# Altium PCB BG1094.PcbDoc (part 1 of 2) (continued)
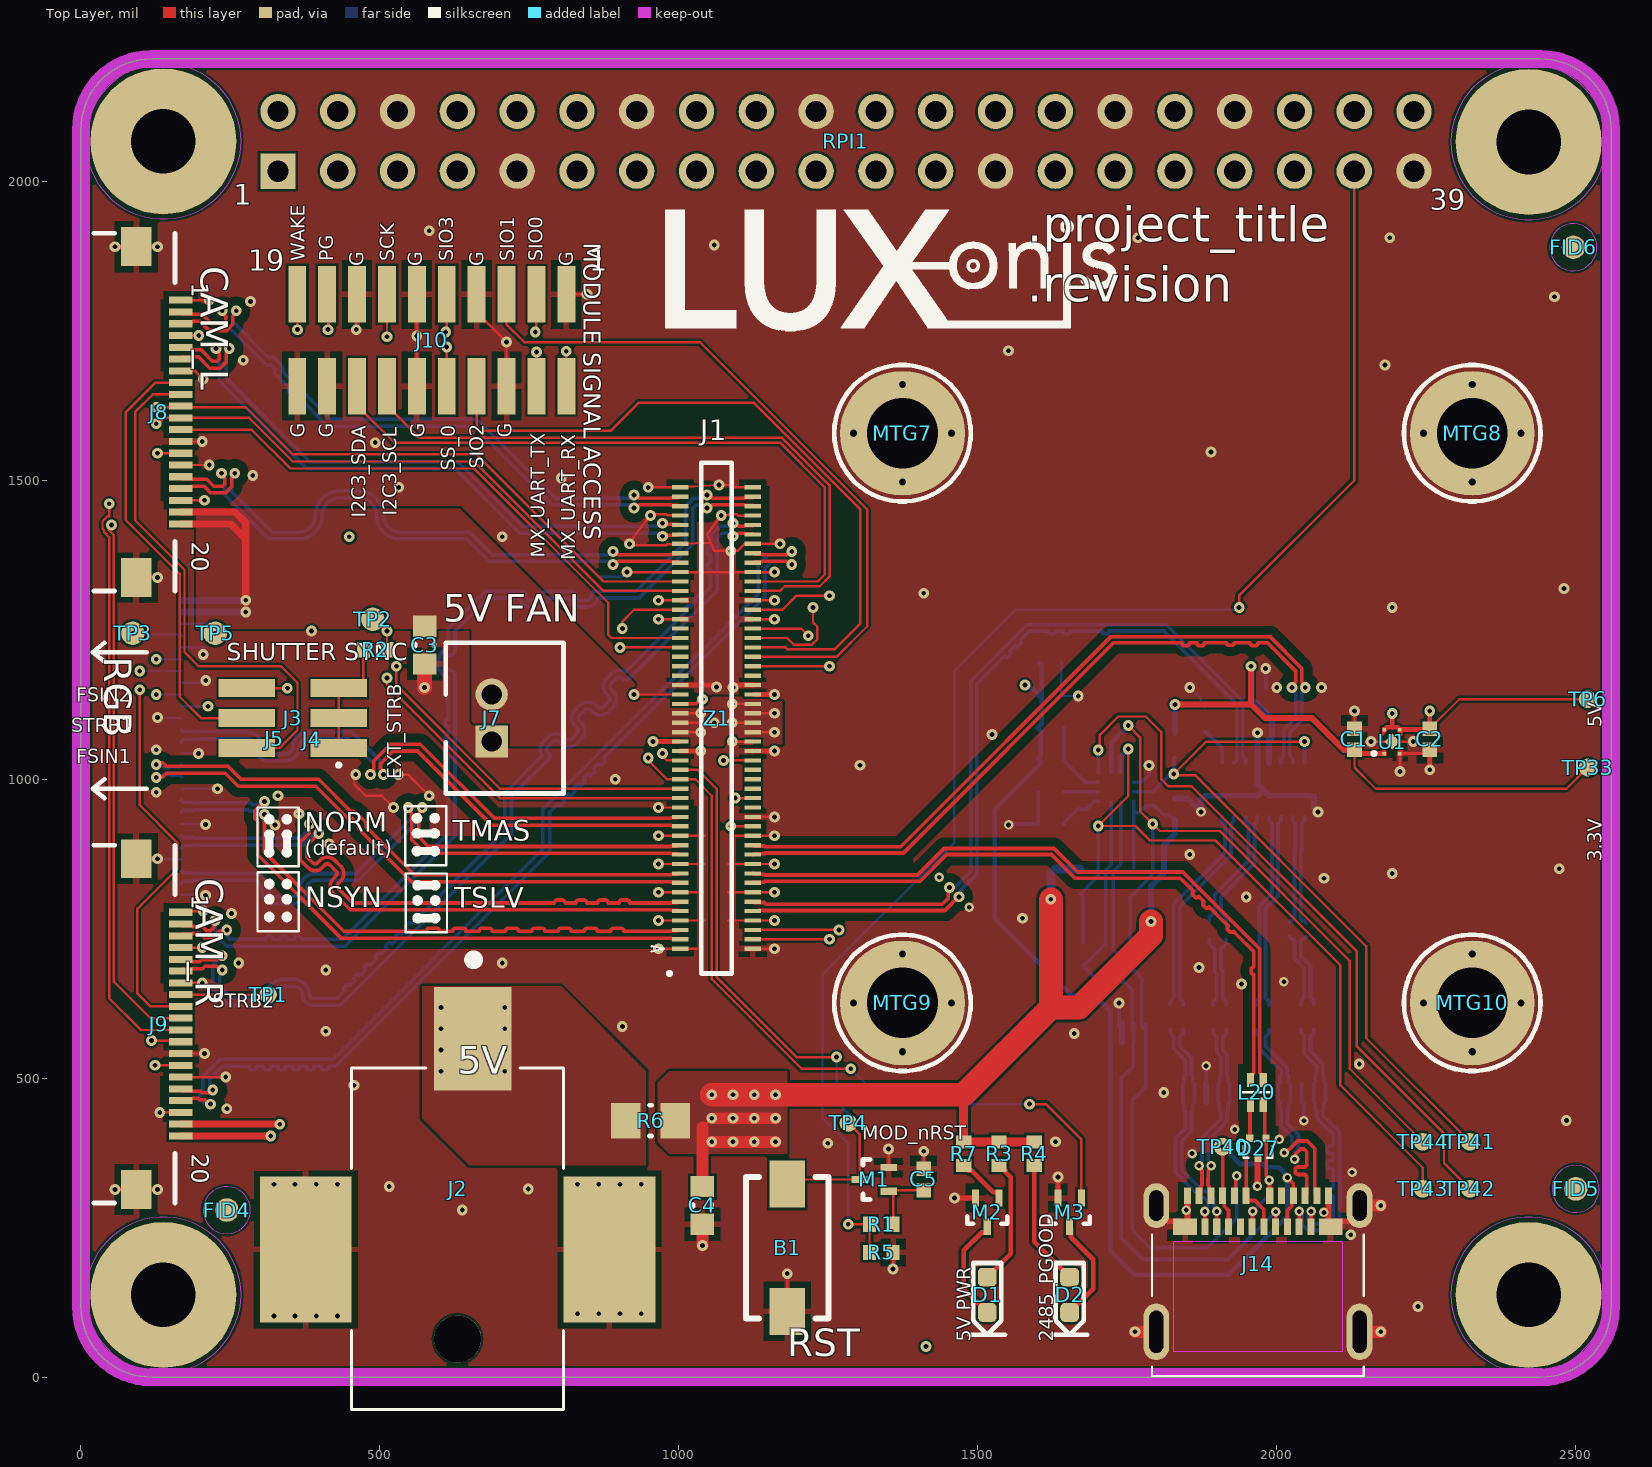
[diagram p0: Top Layer view]
## Part data (continued)
J7: "CONN HEADER VERT 2POS 2MM", Color=Natural, Contact Resistance=20mR, Current Rating=2A, Housing Color=White, Insulation Resistance=1MR, Manufacturer=JST, Max Operating Temperature=85°C, Max Voltage Rating (AC)=100V, Min Operating Temperature=-25°C, Supplier Part Number 1=455-1704-ND, ComponentLink1Description=https://datasheet.ciiva.com/6747/80560-6747392.pdf?src-supplier=Newark, ComponentLink1URL=https://datasheet.ciiva.com/6747/80560-6747392.pdf?src-supplier=Newark, ComponentLink2Description=https://datasheet.ciiva.com/11746/0900766b8082f551-11746676.pdf?src-supplier=RSComponents, ComponentLink2URL=https://datasheet.ciiva.com/11746/0900766b8082f551-11746676.pdf?src-supplier=RSComponents, ComponentLink3Description=https://datasheet.ciiva.com/8052/80560-8052022.pdf?src-supplier=Element14, ComponentLink3URL=https://datasheet.ciiva.com/8052/80560-8052022.pdf?src-supplier=Element14, ComponentLink4Description=https://datasheet.ciiva.com/712/eph-712442.pdf?src-supplier=Digi-Key, ComponentLink4URL=https://datasheet.ciiva.com/712/eph-712442.pdf?src-supplier=Digi-Key, ComponentLink5Description=https://datasheet.ciiva.com/16422/b2b-ph-k-slfsn-16422715.pdf?src-supplier=Future+Electronics, ComponentLink5URL=https://datasheet.ciiva.com/16422/b2b-ph-k-slfsn-16422715.pdf?src-supplier=Future+Electronics, Connector Type="Male Pin", Contact Material=Brass, Contact Mating Length=0.13inch, Contact Plating=Tin, Depth=4.5mm, Fastening Type=Detent, Gender=Male, Height=9.4mm, Housing Material=Polyamide, Lead Free="Lead Free", Lead Pitch=2mm, Length=5.9mm, Manufacturer Part Number=B2B-PH-K-S(LF)(SN), Max Current Rating=2A, Max Voltage Rating (DC)=100V, Mount="Through Hole", Number of Contacts=2, Number of Pins=2, Number of Poles=2, Number of Positions=2, Number of Rows=1, Orientation=Straight, Packaging=Bulk, Pitch=2mm, Pricing 1="1 = 0.170000, 10 = 0.162000, 100 = 0.100200, 500 = 0.082880, 1000 = 0.072520, 5000 = 0.062160, 10000 = 0.060440 (USD)", REACH SVHC="No SVHC", RoHS=Yes, Stock 1=216199, Supplier 1=Digi-Key, Termination=Solder, Voltage Rating=100V, Voltage Rating (AC)=100V, Width=4.5mm, Working Voltage=100V
J8 J9: "FFC & FPC Connectors 0.5 FPC ZIF Hsg Assy ssy 20Ckt EmbsTp Pkg", Manufacturer_Name=Molex, Manufacturer_Part_Number=54548-2271, Mouser Part Number=538-54548-2271, Datasheet Link=http://www.molex.com/webdocs/datasheets/pdf/en-us//0545482271_FFC_FPC_CONNECTORS.pdf, Height=1mm, Mouser Price/Stock=https://www.mouser.com/Search/Refine.aspx?Keyword=538-54548-2271
J10: "Conn Unshrouded Header HDR 20 POS 1.27mm Solder ST SMD Tube", Color=Black, Contact Resistance=30mR, Manufacturer 1="Amphenol FCI", Max Operating Temperature=85°C, Max Voltage Rating (AC)=125V, Min Operating Temperature=-40°C, Package Quantity=46, ComponentLink1Description=https://datasheet.ciiva.com/18660/20021121-18660311.pdf?src-supplier=Digi-Key, ComponentLink1URL=https://datasheet.ciiva.com/18660/20021121-18660311.pdf?src-supplier=Digi-Key, ComponentLink2Description=https://datasheet.ciiva.com/10033/20021121-10033355.pdf?src-supplier=Avnet, ComponentLink2URL=https://datasheet.ciiva.com/10033/20021121-10033355.pdf?src-supplier=Avnet, Connector Type="Male Pin", Contact Material="Copper Alloy", Contact Mating Length=0.12inch, Contact Plating=Gold, Depth=3.4mm, Housing Color=Black, Housing Material=Thermoplastic, Length=12.7mm, Manufacturer Part Number 1=20021121-00020T1LF, Mount="Surface Mount", Number of Contacts=20, Number of Positions=20, Number of Rows=2, Orientation=Straight, Packaging=Rail/Tube, Pitch=1.27mm, Pricing 1="1840=0.65487, 3680=0.63909, 7360=0.62487, 11040=0.61127, 18400=0.60354 (USD)", RoHS=Yes, Row Spacing=0.05inch, Stock 1=0, Supplier 1=Avnet, Supplier Part Number 1=20021121-00020T1LF, Termination=Solder
J14: library part Molex_1054500101, "USB 3.1 Type C Receptacle SMD RA", D - my Footprint=CurrentFootprint, E - MFG=Molex, F - MFG P/N=105450-0101
L18 L19 L20 L21 L22: "CMC 150MA 2LN 80 OHM SMD", D - my Footprint=CurrentFootprint, E - MFG=MuRata, F - MFG P/N=DLP11TB800UL2L
M1 M2 M3: "MOSFET N-CH 20V 0.2A EMT3", Case/Package=SOT-89, Continuous Drain Current (ID)=200mA, Drain to Source Voltage (Vdss)=20V, Input Capacitance=25pF, Manufacturer 1=Rohm, Max Power Dissipation=150mW, Supplier Part Number 1=RE1C002UNTCLCT-ND, ComponentLink1Description=http://www.mouser.com/ds/2/348/re1c002untcl-e-1018231.pdf?src-supplier=Mouser, ComponentLink1URL=http://www.mouser.com/ds/2/348/re1c002untcl-e-1018231.pdf?src-supplier=Mouser, ComponentLink2Description=http://rohmfs.rohm.com/en/techdata_basic/transistor/taping/EMT3_TL_taping.pdf?src-supplier=Digi-Key, ComponentLink2URL=http://rohmfs.rohm.com/en/techdata_basic/transistor/taping/EMT3_TL_taping.pdf?src-supplier=Digi-Key, ComponentLink3Description=http://rohmfs.rohm.com/en/products/databook/datasheet/discrete/transistor/mosfet/re1c002un.pdf?src-supplier=Avnet, ComponentLink3URL=http://rohmfs.rohm.com/en/products/databook/datasheet/discrete/transistor/mosfet/re1c002un.pdf?src-supplier=Avnet, ComponentLink4Description=https://www.rohm.com/datasheet/RE1C002UN/re1c002untcl-e?src-supplier=Digi-Key, ComponentLink4URL=https://www.rohm.com/datasheet/RE1C002UN/re1c002untcl-e?src-supplier=Digi-Key, ComponentLink5Description=http://www.farnell.com/datasheets/2704376.pdf?src-supplier=Newark, ComponentLink5URL=http://www.farnell.com/datasheets/2704376.pdf?src-supplier=Newark, Lead Free="Lead Free", Manufacturer Part Number 1=RE1C002UNTCL, Mount="Surface Mount", Packaging="Tape and Reel", Pricing 1="1=0.20000, 10=0.18200, 100=0.09930, 500=0.06112, 1000=0.04167 (USD)", Rds On Max=1.2R, RoHS=Yes, Stock 1=941425, Supplier 1=Digi-Key
MTG7 MTG8 MTG9 MTG10: "Mounting Hole", B - Value="Not a Part", A - Level=0, D - my Footprint=STANDOFF_M2X0.4_3MM, F - MFG P/N="Not a Part", Z - SMD or PTH=PTH
R1 R2 R5: library part !RES
R3 R4 R7: library part RES1, "SMD Chip Resistor, 1 kohm, 50 V, 0402 [1005 Metric], 62.5 mW, ± 1%"
R6: library part D-100-0004
R31 R32 R183 R185 R186 R213 R214 RZ28 RZ29: library part RES1, "SMD Chip Resistor, Thick Film, 10 kohm, 50 V, 0402, 100mW, ± 1%", DIST=Farnell, DIST PN=2397284, ICCO PN=M2V00015, MAN=Panasonic, MAN PN=ERJ2RKF1002X
R187 R190: library part R_1.8M_1%_0402, "RES SMD 1.8M 1% 0402 50V", D - my Footprint=CurrentFootprint, E - MFG="YAGEO (PHYCOMP)", F - MFG P/N=RC0402FR-071M8L
RPI1: library part "RPi HAT 40 Pin Connector", "GPIO Header for Raspberry Pi A+/B+/Pi 2/Pi 3 - 2x20", Accessory Type=Connector, Category="Development Boards, Kits, Programmers", ComponentLink1Description=https://cdn.sparkfun.com/datasheets/Dev/RaspberryPi/12313.pdf, ComponentLink1URL=https://cdn.sparkfun.com/datasheets/Dev/RaspberryPi/12313.pdf, For Use With/Related Products="Raspberry Pi", nilsminor@web.de=mail, Part Status=Active, Pricing 1="1=1.84 (EUR)", RoHS="RoHS Compliant", Stock 1=150
TP1 TP4 TP6 TP33 TP40 TP41 TP42 TP43 TP44: "circular pad test point, SMD"
TP2 TP3 TP5: library part TEST_POINT
U1: library part TLV707, "IC REG LDO 1V 0.2A 4X2SON", Dropout Voltage=250mV, Manufacturer="Texas Instruments", Manufacturer Part Number=TLV70710DQNR, Max Operating Temperature=125°C, Min Current Limit=240mA, Min Operating Temperature=-40°C, Output Current=200mA, Output Voltage=1V, Package Quantity=3000, Quiescent Current=25uA, ComponentLink1Description=http://www.ti.com/lit/gpn/tlv707?src-supplier=Mouser, ComponentLink1URL=http://www.ti.com/lit/gpn/tlv707?src-supplier=Mouser, ComponentLink2Description=http://www.ti.com/lit/ds/symlink/tlv707.pdf?src-supplier=Digi-Key, ComponentLink2URL=http://www.ti.com/lit/ds/symlink/tlv707.pdf?src-supplier=Digi-Key, Lead Free="Lead Free", Mount="Surface Mount", Number of Regulators=1, Packaging="Tape and Reel", Pricing 1="1 = 0.46000, 10 = 0.37300, 100 = 0.25380, 500 = 0.19034, 1000 = 0.14276 (USD)", RoHS=Yes, Stock 1=4380, Supplier 1=Digi-Key
U61: "Two Channel Differential 2:1/1:2 10Gbps Mux/Demux", D - my Footprint=CurrentFootprint, E - MFG="TEXAS INSTRUMENTS", F - MFG P/N=HD3SS3212RKSR
U62: "USB Type-C  ™ Configuration  Channel  Logic and Port Control  with VCONN", D - my Footprint=CurrentFootprint, E - MFG=TI, F - MFG P/N=TUSB321RWBR
Z1: library part BW1099_Footprint, "Use for aligning BW1099 mount"

## Free pads (board coordinates)
  round 244.09 hole 108.27: ""(137.8,137.8) ""(137.8,2066.93) ""(2421.26,137.8) ""(2421.26,2065.94)

## Via types
v1: diameter 18, hole 8, Top Layer to Bottom Layer, tented both sides, 293 vias
v2: diameter 16, hole 8, Top Layer to Bottom Layer, tented both sides, 28 vias
v3: diameter 24, hole 12, Top Layer to Bottom Layer, tented both sides, 16 vias

## Nets (pads, with @x,y where several pads share a name; then routed paths per layer and width w, separated by ;. In a path a pad name is that pad's centre, name@x,y a point inside that pad or via, vN(x,y) a via of type N, cw(c..) or ccw(c..) an arc to the next point about the centre after c; other vN are vias at no path point)
3.3VIN: C1.2 C74.2 R186.2 TP33.1 U1.1 U61.6 | length 1123.7
  Top Layer w4: C1.2@2129.92,1049.21 2129.92,1019.68 2165.35,984.25 2484.25,984.25 TP33.1@2519.68,1019.69
  Top Layer w8: 1955.9,1125.19 1956.69,1125.98 ; C1.2@2129.92,1049.21 2136.22,1042.91 U1.1@2179.92,1042.91
  Top Layer w10: v1(1829.92,1125.19) 1955.9,1125.19 ; v1(1956.69,1188.98) 1956.69,1125.98 1980.32,1102.36 2059.06,1102.36 2112.2,1049.21 C1.2@2129.92,1049.21
  Bottom Layer w10: R186.2@1829.92,1077.55 v1(1829.92,1125.19) ; v1@1957.5,1190.31 1957.5,1134.76 1979.74,1112.53 1981.33,1112.53 1991.64,1102.22 1991.64,1070.55 1987.2,1066.11 U61.6@1987.2,1027.55
5V_IN: J2.1 R6.2 | length 212.6
  Top Layer w20: v1(602.36,511.81) v1(602.36,547.24) v1(602.36,582.68) v1(602.36,618.11) ; v1(708.66,511.81) v1(708.66,547.24) v1(708.66,582.68) v1(708.66,618.11)
2485_PGOOD: J1.37 J10.17 M3.1 | length 3050.3
  Top Layer w4: v1@409.45,1751.97 413.39,1755.91 413.39,1809.45 J10.17@411.81,1811.02 ; v1(948.82,1035.43) 948.82,1031.5 980.31,1000 1001.38,1000 1027.56,1000 1055.12,972.44 1055.12,665.85 1205.22,515.75 v1(1287.4,515.75) ; v1(1586.61,456.69) 1614.17,456.69 1673.23,397.64 M3.1@1673.23,299.61
  Midlayer 1 w4: v1(413.39,1751.97) 398.39,1766.97 355.99,1766.97 339.2,1750.18 339.2,1714.88 416.29,1637.8 1062.99,1637.8 1216.54,1484.25 1216.54,1326.81 1216.13,1326.4 1208.26,1326.4 1177.09,1295.23 1177.09,1263.55 1141.26,1227.72 1058.43,1227.72 937.01,1106.3 937.01,1043.31 944.88,1035.43 v1(948.82,1035.43)
  Bottom Layer w4: v1(1287.4,515.75) 1346.46,456.69 v1(1586.61,456.69)
2485_UART_RX: J1.4 J10.2 | length 1507.1
  Top Layer w4: J10.2@811.81,1657.48 v1(811.81,1715.75) ; J1.4@1124.61,732.28 v1(1251.97,732.28)
  Midlayer 2 w4: v1(811.81,1715.75) 847.24,1715.75 858.27,1704.72 874.51,1704.72 874.64,1704.6 879.07,1704.6 879.2,1704.47 1011.07,1704.47 1240.41,1475.13 1240.41,1456.66 1248.03,1449.04 1248.03,1358.27 1275.34,1330.96 1275.34,1282.72 1237.76,1245.13 1237.76,1207.29 1228.97,1198.5 1228.97,1187.19 1220.35,1178.57 1220.35,784.09 1236.97,767.47 1236.97,747.28 v1(1251.97,732.28)
2485_UART_TX: J1.6 J10.4 | length 1582.8
  Top Layer w4: J10.4@761.81,1657.48 v1(761.81,1714.57) ; J1.6@1124.61,748.03 v1(1267.72,748.03)
  Midlayer 2 w4: v1(761.81,1714.57) 777.99,1730.75 859.8,1730.75 877.95,1712.6 882.39,1712.6 882.51,1712.47 1015.87,1712.47 1259.84,1468.5 1259.84,1362.2 1283.34,1338.71 1283.34,1279.4 1245.76,1241.82 1245.76,1203.98 1236.97,1195.19 1236.97,1183.88 1228.35,1175.25 1228.35,787.4 v1(1267.72,748.03)
2485_WAKEUP: J1.41 J10.19 | length 1704.8
  Top Layer w4: J10.19@361.81,1811.02 362.2,1810.63 v1@362.2,1755.91 ; v1@972.44,1039.52 972.29,1039.37 980.17,1031.5 J1.41@1001.38,1031.5 ; v1@972.44,1039.52 v1(972.44,1043.3)
  Midlayer 1 w4: v1(362.2,1751.97) 347.2,1736.97 347.2,1718.2 415.79,1649.61 1062.99,1649.61 1228.35,1484.25 1228.35,1396.64 1224.54,1392.83 1224.54,1323.49 1219.44,1318.4 1211.57,1318.4 1185.09,1291.92 1185.09,1260.24 1144.57,1219.72 1070.12,1219.72 972.44,1122.05 v1(972.44,1043.3)
+3V3_RPI: RPI1.1 RPI1.17
AUX_IO1: J6.23 TP3.1 | length 83.2
  Bottom Layer w4: v1(86.61,1244.09) 88.57,1242.14 166.23,1242.14 J6.23@168.19,1240.18
AUX_IO2: J6.24 TP5.1 | length 69.7
  Bottom Layer w4: J6.24@168.19,1259.87 220.45,1259.87 224.41,1255.91 v1(224.41,1244.09)
AUX_IO_IRQ: J1.69
CAM_A_CLK_OUT: J1.28 J6.17 | length 1039.6
  Top Layer w4: v1(1086.61,921.26) J1.28@1124.61,921.26
  Midlayer 1 w4: v1(212.57,1122.07) 221.94,1112.7 564.46,1112.7 673.23,1003.94 834.65,1003.94 866.14,972.44 1035.43,972.44 v1(1086.61,921.26)
  Bottom Layer w4: J6.17@168.19,1122.07 v1(212.57,1122.07)
CAM_A_PWDN_N: J1.34 J6.18 | length 1167.9
  Top Layer w4: v1(1094.49,968.5) J1.34@1124.61,968.5
  Midlayer 1 w4: v1(126.01,1141.76) 214.1,1141.76 225.78,1130.07 508.03,1130.07 574.8,1196.85 720.47,1196.85 929.13,988.19 1073.28,988.19 1092.96,968.5 v1(1094.49,968.5)
  Bottom Layer w4: v1(126.01,1141.76) J6.18@168.19,1141.76
CAM_B_CLK_OUT: J1.73 J8.14 J9.14 | length 2105.1
  Top Layer w4: v1(124.02,521.65) J9.14@167.32,521.65 ; v1(127.95,1545.28) J8.14@167.32,1545.28 ; v1(905.51,1251.97) 905.51,1263.78 925.2,1283.46 J1.73@1001.38,1283.46
  Midlayer 1 w4: v1(124.02,521.65) 51.18,594.49 51.18,1229.87 80.4,1259.09 85.87,1259.09 169.29,1342.52 169.29,1366.14 ; v1(127.95,1545.28) 127.95,1407.48 169.29,1366.14 ; v1(905.51,1251.97) 870.08,1251.97 755.91,1366.14 169.29,1366.14
CAM_B_D_PWM: J1.65 J9.12 | length 1747.1
  Top Layer w4: v1(118.11,562.99) 165.36,562.99 J9.12@167.32,561.02 ; v1(901.57,1220.47) J1.65@1001.38,1220.47
  Midlayer 1 w4: v1(118.11,562.99) 118.11,775.59 149.61,807.09 149.61,870.08 83.43,936.26 83.43,1197.6 220.47,1334.65 712.6,1334.65 826.77,1220.47 v1(901.57,1220.47)
CAM_B_PWDN_N: J1.67 J8.12 | length 1009.9
  Top Layer w4: J8.12@167.32,1584.65 285.43,1584.65 350.39,1519.68 657.48,1519.68 881.89,1295.28 881.89,1241.47 887.14,1236.22 J1.67@1001.38,1236.22
CAM_L_C_N: J1.95 J8.2 | length 1030.1
  Top Layer w6: J8.2@167.32,1781.5 170.23,1778.59 186.3,1778.59 187.52,1777.36 203.41,1777.36 218.83,1761.95 238.81,1761.95 242.32,1765.46 242.32,1774.12 236.22,1780.22 v1(236.22,1783.46) ; v1(925.2,1453.57) 928.44,1453.57 933.73,1458.86 986.12,1458.86 986.95,1458.02 1000.05,1458.02 J1.95@1001.38,1456.69
  Bottom Layer w6: v1(236.22,1783.46) 236.22,1780.22 242.32,1774.12 242.32,1760.73 309.02,1694.03 ccw(c313.06,1698.07) 317.1,1694.03 ; 317.5,1694.04 325.58,1685.96 ; 325.58,1685.55 ccw(c329.62,1681.51) 325.58,1677.47 347.37,1655.68 ccw(c358.64,1652.49) 350.36,1644.21 358.43,1636.14 ccw(c366.71,1644.42) 369.91,1633.15 412.5,1590.55 657.08,1590.55 788.77,1458.86 916.66,1458.86 921.95,1453.57 v1(925.2,1453.57)
CAM_L_C_P: J1.97 J8.3 | length 1030.1
  Top Layer w6: J8.3@167.32,1761.81 170.23,1764.72 186.3,1764.72 187.52,1765.94 198.68,1765.94 214.09,1750.53 243.54,1750.53 253.74,1760.73 253.74,1774.12 259.84,1780.22 v1(259.84,1783.46) ; v1(925.2,1475.57) 928.44,1475.57 933.73,1470.28 986.12,1470.28 986.95,1471.11 1000.05,1471.11 J1.97@1001.38,1472.44
  Bottom Layer w6: v1(259.84,1783.46) 259.84,1780.22 253.74,1774.12 253.74,1765.46 314.11,1705.1 cw(c317.3,1693.83) 325.58,1702.11 333.66,1694.03 cw(c325.38,1685.75) 337.09,1685.75 cw(c325.38,1685.75) 336.64,1682.56 358.43,1660.77 cw(c354.4,1656.73) 360.11,1656.73 cw(c354.4,1656.73) 358.43,1652.7 ; 358.43,1652.29 366.51,1644.21 ; 366.92,1644.21 cw(c370.96,1640.17) 374.99,1644.21 417.23,1601.97 661.81,1601.97 793.5,1470.28 916.66,1470.28 921.95,1475.57 v1(925.2,1475.57)
CAM_L_D0_N: J1.89 J8.5 | length 1030.8
  Top Layer w6: J8.5@167.32,1722.44 170.23,1719.54 186.3,1719.54 187.52,1718.31 200.74,1718.31 220.09,1698.96 227.81,1698.96 231.32,1702.47 231.32,1711.94 226.03,1717.23 v1(226.03,1720.47) ; v1(972.44,1406.32) 974.24,1408.12 1000.05,1408.12 J1.89@1001.38,1409.45
  Bottom Layer w6: v1(226.03,1720.47) 226.03,1717.23 231.32,1711.94 231.32,1666.32 377.95,1519.68 625.58,1519.68 733.65,1411.61 963.9,1411.61 969.19,1406.32 v1(972.44,1406.32)
CAM_L_D0_P: J1.91 J8.6 | length 1030.8
  Top Layer w6: J8.6@167.32,1702.76 170.23,1705.66 186.3,1705.66 187.52,1706.89 196.01,1706.89 215.36,1687.54 232.54,1687.54 242.74,1697.74 242.74,1711.94 248.03,1717.23 v1(248.03,1720.47) ; v1(972.44,1428.32) 974.24,1426.53 1000.05,1426.53 J1.91@1001.38,1425.2
  Bottom Layer w6: v1(248.03,1720.47) 248.03,1717.23 242.74,1711.94 242.74,1671.05 382.68,1531.11 630.31,1531.11 738.38,1423.03 963.9,1423.03 969.19,1428.32 v1(972.44,1428.32)
CAM_L_D1_N: J1.83 J8.16 | length 1030.5
  Top Layer w6: J8.16@167.32,1505.91 170.23,1503 186.3,1503 187.52,1501.77 210.49,1501.77 221.97,1490.3 237.03,1490.3 240.55,1493.81 240.55,1503.27 235.26,1508.56 v1(235.26,1511.81) ; v1(889.76,1359.08) 893.01,1359.08 898.3,1364.37 986.12,1364.37 986.95,1363.54 1000.05,1363.54 J1.83@1001.38,1362.2
  Bottom Layer w6: v1(235.26,1511.81) 235.26,1508.56 240.55,1503.27 240.55,1475.99 314.57,1401.97 364.51,1401.97 ccw(c364.51,1440.83) 403.38,1440.83 cw(c433.51,1440.83) 433.51,1470.97 464.24,1470.97 cw(c464.24,1440.83) 494.38,1440.83 ccw(c533.24,1440.83) 533.24,1401.97 645.28,1401.97 682.88,1364.37 881.23,1364.37 886.52,1359.08 v1(889.76,1359.08)
CAM_L_D1_P: J1.85 J8.17 | length 1030.5
  Top Layer w6: J8.17@167.32,1486.22 170.23,1489.13 186.3,1489.13 187.52,1490.35 205.76,1490.35 217.24,1478.88 241.76,1478.88 251.97,1489.08 251.97,1503.27 257.26,1508.56 v1(257.26,1511.81) ; v1(889.76,1381.08) 893.01,1381.08 898.3,1375.79 986.12,1375.79 986.95,1376.62 1000.05,1376.62 J1.85@1001.38,1377.95
  Bottom Layer w6: v1(257.26,1511.81) 257.26,1508.56 251.97,1503.27 251.97,1480.72 319.3,1413.39 364.51,1413.39 ccw(c364.51,1440.83) 391.96,1440.83 cw(c433.51,1440.83) 433.51,1482.39 464.24,1482.39 cw(c464.24,1440.83) 505.8,1440.83 ccw(c533.24,1440.83) 533.24,1413.39 650.01,1413.39 687.61,1375.79 881.23,1375.79 886.52,1381.08 v1(889.76,1381.08)
CAM_R_C_N: J1.96 J9.2 | length 1599.9
  Top Layer w6: J9.2@167.32,757.87 170.23,754.97 186.3,754.97 187.52,753.74 203.41,753.74 210.92,746.23 216.5,746.23 222.5,752.23 222.5,761.87 v1(224.41,763.78) ; v1(1047.24,1453.57) 1050.49,1453.57 1055.78,1458.86 1109.35,1458.86 1110.18,1458.02 1123.28,1458.02 J1.96@1124.61,1456.69
  Bottom Layer w6: v1(224.41,763.78) 224.41,740.28 243.96,720.72 441.6,720.72 625.59,904.72 625.59,1174.25 ccw(c617.98,1174.25) 617.98,1181.86 cw(c617.98,1189.25) 610.59,1189.25 610.59,1200.48 cw(c617.98,1200.48) 617.98,1207.86 ccw(c617.98,1215.48) 625.59,1215.48 625.59,1247.64 681.1,1303.15 733.82,1303.15 ccw(c752.24,1306.96) 752.24,1288.15 763.47,1288.15 ccw(c763.47,1306.96) 781.89,1303.15 816.5,1303.15 ccw(c834.92,1306.96) 834.92,1288.15 846.15,1288.15 ccw(c846.15,1306.96) 864.56,1303.15 933.47,1303.15 1023.23,1392.91 1023.23,1452.84 1029.24,1458.86 1038.71,1458.86 1044,1453.57 v1(1047.24,1453.57)
CAM_R_C_P: J1.98 J9.3 | length 1611.3
  Top Layer w6: J9.3@167.32,738.19 170.23,741.09 186.3,741.09 187.52,742.32 198.68,742.32 206.19,734.81 221.23,734.81 232.55,746.12 242.19,746.12 v1(244.09,748.03) ; v1(1047.24,1475.57) 1050.49,1475.57 1055.78,1470.28 1109.35,1470.28 1110.18,1471.11 1123.28,1471.11 J1.98@1124.61,1472.44
  Bottom Layer w6: v1(244.09,748.03) 243.56,747.49 243.56,745.85 245.18,744.23 245.18,735.66 248.69,732.14 303.15,732.14 308.35,732.14 ccw(c308.35,732.94) 309.15,732.94 cw(c313.35,732.94) 313.35,737.14 316.95,737.14 cw(c316.95,732.94) 321.15,732.94 ccw(c321.95,732.94) 321.95,732.14 332.35,732.14 ccw(c332.35,732.94) 333.15,732.94 cw(c337.35,732.94) 337.35,737.14 340.95,737.14 cw(c340.95,732.94) 345.15,732.94 ccw(c345.95,732.94) 345.95,732.14 356.35,732.14 ccw(c356.35,732.94) 357.15,732.94 cw(c361.35,732.94) 361.35,737.14 364.95,737.14 cw(c364.95,732.94) 369.15,732.94 ccw(c369.95,732.94) 369.95,732.14 377.95,732.14 436.87,732.14 614.17,909.45 614.17,1031.5 614.17,1036.7 ccw(c613.37,1036.7) 613.37,1037.5 cw(c613.37,1041.7) 609.17,1041.7 609.17,1045.3 cw(c613.37,1045.3) 613.37,1049.5 ccw(c613.37,1050.3) 614.17,1050.3 614.17,1059.06 614.17,1064.26 ccw(c613.37,1064.26) 613.37,1065.06 cw(c613.37,1069.26) 609.17,1069.26 609.17,1072.86 cw(c613.37,1072.86) 613.37,1077.06 ccw(c613.37,1077.86) 614.17,1077.86 614.17,1082.68 614.17,1087.88 ccw(c613.37,1087.88) 613.37,1088.68 cw(c613.37,1092.88) 609.17,1092.88 609.17,1096.48 cw(c613.37,1096.48) 613.37,1100.68 ccw(c613.37,1101.48) 614.17,1101.48 614.17,1106.3 614.17,1170.83 cw(c617.98,1189.25) 599.17,1189.25 599.17,1200.48 cw(c617.98,1200.48) 614.17,1218.89 614.17,1252.37 676.37,1314.57 737.24,1314.57 cw(c737.24,1306.96) 744.86,1306.96 ccw(c752.24,1306.96) 752.24,1299.57 763.47,1299.57 ccw(c763.47,1306.96) 770.86,1306.96 cw(c778.47,1306.96) 778.47,1314.57 819.92,1314.57 cw(c819.92,1306.96) 827.53,1306.96 ccw(c834.92,1306.96) 834.92,1299.57 846.15,1299.57 ccw(c846.15,1306.96) 853.53,1306.96 cw(c861.15,1306.96) 861.15,1314.57 928.74,1314.57 1011.81,1397.64 1011.81,1457.57 1024.51,1470.28 1038.71,1470.28 1044,1475.57 v1(1047.24,1475.57)
CAM_R_D0_N: J1.90 J9.5 | length 1601.6
  Top Layer w6: J9.5@167.32,698.82 170.23,695.91 186.3,695.91 187.52,694.69 198.47,694.69 202.41,698.62 226.87,698.62 232.97,704.72 v1(236.22,704.72) ; v1(1090.55,1406.32) 1093.8,1406.32 1099.09,1411.61 1109.35,1411.61 1110.18,1410.78 1123.28,1410.78 J1.90@1124.61,1409.45
  Bottom Layer w6: v1(236.22,704.72) 220.22,688.72 220.22,664.61 220.86,663.97 220.86,648.81 247.63,622.05 305.91,622.05 ccw(c305.91,638.96) 322.82,638.96 cw(c337.91,638.96) 337.91,654.05 355.73,654.05 cw(c355.73,638.96) 370.82,638.96 ccw(c387.73,638.96) 387.73,622.05 433.47,622.05 720.08,908.66 720.08,972.05 781.57,1033.54 ccw(c776.19,1038.92) 783.8,1038.92 ccw(c776.19,1038.92) 781.57,1044.3 cw(c786.79,1049.53) 781.57,1054.75 789.51,1062.69 cw(c794.73,1057.47) 799.95,1062.69 802.65,1060 ccw(c815.94,1073.3) 829.24,1060 837.18,1067.94 ccw(c823.88,1081.23) 842.69,1081.23 ccw(c823.88,1081.23) 837.18,1094.53 834.49,1097.22 cw(c839.71,1102.45) 834.49,1107.67 842.43,1115.61 cw(c847.65,1110.39) 852.87,1115.61 855.57,1112.92 ccw(c868.86,1126.22) 882.16,1112.92 890.1,1120.86 ccw(c876.8,1134.15) 895.61,1134.15 ccw(c876.8,1134.15) 890.1,1147.45 887.41,1150.14 cw(c892.63,1155.37) 887.41,1160.59 895.35,1168.53 cw(c900.57,1163.31) 905.79,1168.53 ccw(c911.18,1173.91) 916.56,1168.53 1064.37,1316.34 1064.37,1403.43 1072.55,1411.61 1082.01,1411.61 1087.3,1406.32 v1(1090.55,1406.32)
CAM_R_D0_P: J1.92 J9.6 | length 1619.7
  Top Layer w6: J9.6@167.32,679.13 170.23,682.04 186.3,682.04 187.52,683.27 203.2,683.27 207.14,687.2 226.87,687.2 232.97,681.1 v1(236.22,681.1) ; v1(1090.55,1428.32) 1093.8,1428.32 1099.09,1423.03 1109.35,1423.03 1110.18,1423.87 1123.28,1423.87 J1.92@1124.61,1425.2
  Bottom Layer w6: v1(236.22,681.1) 233.92,678.81 233.92,673.23 232.28,671.59 232.28,653.54 252.36,633.47 258.36,633.47 270.36,633.47 281.56,633.47 ccw(c281.56,634.27) 282.36,634.27 cw(c286.56,634.27) 286.56,638.47 290.16,638.47 cw(c290.16,634.27) 294.36,634.27 ccw(c295.16,634.27) 295.16,633.47 305.91,633.47 ccw(c305.91,638.96) 311.4,638.96 cw(c337.91,638.96) 337.91,665.47 355.73,665.47 cw(c355.73,638.96) 382.24,638.96 ccw(c387.73,638.96) 387.73,633.47 408.24,633.47 414.24,633.47 426.24,633.47 428.74,633.47 432.99,637.71 440.9,645.63 ccw(c440.34,646.2) 440.9,646.76 cw(c443.87,649.73) 440.91,652.7 443.45,655.25 cw(c446.42,652.28) 449.39,655.25 ccw(c449.96,655.81) 450.52,655.25 457.88,662.6 ccw(c457.31,663.17) 457.88,663.73 cw(c460.85,666.7) 457.88,669.67 460.42,672.22 cw(c463.39,669.25) 466.36,672.22 ccw(c466.93,672.78) 467.49,672.22 474.85,679.57 ccw(c474.28,680.14) 474.85,680.7 cw(c477.82,683.67) 474.85,686.64 477.39,689.19 cw(c480.36,686.22) 483.33,689.19 ccw(c483.9,689.75) 484.46,689.19 490.16,694.88 493.83,698.56 ccw(c493.27,699.12) 493.83,699.69 cw(c496.8,702.66) 493.83,705.63 496.38,708.18 cw(c499.35,705.21) 502.32,708.18 ccw(c502.89,708.74) 503.45,708.18 510.8,715.53 ccw(c510.24,716.1) 510.8,716.66 cw(c513.77,719.63) 510.81,722.6 513.35,725.15 cw(c516.32,722.18) 519.29,725.15 ccw(c519.86,725.71) 520.42,725.15 527.78,732.5 ccw(c527.21,733.07) 527.78,733.63 cw(c530.75,736.6) 527.78,739.57 530.32,742.12 cw(c533.29,739.15) 536.26,742.12 ccw(c536.83,742.68) 537.39,742.12 544.75,749.47 ccw(c544.18,750.04) 544.75,750.6 cw(c547.72,753.57) 544.75,756.54 547.29,759.09 cw(c550.26,756.12) 553.23,759.09 ccw(c553.8,759.65) 554.36,759.09 572.83,777.56 708.66,913.39 708.66,976.78 771.08,1039.2 cw(c786.79,1049.53) 773.49,1062.83 781.43,1070.76 cw(c794.73,1057.47) 808.03,1070.76 810.72,1068.07 ccw(c815.94,1073.3) 821.17,1068.07 829.11,1076.01 ccw(c823.88,1081.23) 831.27,1081.23 ccw(c823.88,1081.23) 829.11,1086.46 826.41,1089.15 cw(c839.71,1102.45) 826.41,1115.75 834.35,1123.68 cw(c847.65,1110.39) 860.95,1123.68 863.64,1120.99 ccw(c868.86,1126.22) 874.09,1120.99 882.03,1128.93 ccw(c876.8,1134.15) 884.19,1134.15 ccw(c876.8,1134.15) 882.03,1139.38 879.33,1142.07 cw(c892.63,1155.37) 879.33,1168.67 887.27,1176.6 cw(c900.57,1163.31) 910.9,1179.02 1007.67,1275.79 1011.35,1279.47 ; 1011.35,1279.47 ccw(c1010.78,1280.03) 1011.35,1280.6 cw(c1014.32,1283.57) 1011.35,1286.54 1013.9,1289.09 cw(c1016.87,1286.12) 1019.84,1289.09 ccw(c1020.4,1289.65) 1020.97,1289.09 1028.32,1296.44 ccw(c1027.75,1297) 1028.32,1297.57 cw(c1031.29,1300.54) 1028.32,1303.51 1030.87,1306.06 cw(c1033.84,1303.09) 1036.81,1306.06 ccw(c1037.37,1306.62) 1037.94,1306.06 1045.86,1313.98 1052.95,1321.07 1052.95,1327.07 1052.95,1339.07 1052.95,1350.27 ccw(c1052.15,1350.27) 1052.15,1351.07 cw(c1052.15,1355.27) 1047.95,1355.27 1047.95,1358.87 cw(c1052.15,1358.87) 1052.15,1363.07 ccw(c1052.15,1363.87) 1052.95,1363.87 1052.95,1374.27 ccw(c1052.15,1374.27) 1052.15,1375.07 cw(c1052.15,1379.27) 1047.95,1379.27 1047.95,1382.87 cw(c1052.15,1382.87) 1052.15,1387.07 ccw(c1052.15,1387.87) 1052.95,1387.87 1052.95,1389.76 1052.95,1408.16 1067.82,1423.03 1082.01,1423.03 1087.3,1428.32 v1(1090.55,1428.32)
CAM_R_D1_N: J1.84 J9.16 | length 1622.9
  Top Layer w6: J9.16@167.32,482.28 170.23,479.38 186.3,479.38 187.52,478.15 199.97,478.15 202.47,475.65 212.56,475.65 217.23,480.31 v1(220.47,480.31) ; J1.84@1124.61,1362.2 1125.94,1363.54 1139.03,1363.54 1139.86,1364.37 1180.44,1364.37 1185.73,1359.08 v1(1188.98,1359.08)
  Bottom Layer w6: v1(220.47,480.31) 220.47,483.56 215.18,488.86 215.18,498.32 236.94,520.08 263.78,520.08 269.78,520.08 279.98,520.08 cw(c279.98,518.28) 281.78,518.28 ccw(c285.98,518.28) 285.98,514.08 289.58,514.08 ccw(c289.58,518.28) 293.78,518.28 cw(c295.58,518.28) 295.58,520.08 303.98,520.08 cw(c303.98,518.28) 305.78,518.28 ccw(c309.98,518.28) 309.98,514.08 313.58,514.08 ccw(c313.58,518.28) 317.78,518.28 cw(c319.58,518.28) 319.58,520.08 327.98,520.08 cw(c327.98,518.28) 329.78,518.28 ccw(c333.98,518.28) 333.98,514.08 337.58,514.08 ccw(c337.58,518.28) 341.78,518.28 cw(c343.58,518.28) 343.58,520.08 351.98,520.08 cw(c351.98,518.28) 353.78,518.28 ccw(c357.98,518.28) 357.98,514.08 361.58,514.08 ccw(c361.58,518.28) 365.78,518.28 cw(c367.58,518.28) 367.58,520.08 375.98,520.08 cw(c375.98,518.28) 377.78,518.28 ccw(c381.98,518.28) 381.98,514.08 385.58,514.08 ccw(c385.58,518.28) 389.78,518.28 cw(c391.58,518.28) 391.58,520.08 399.98,520.08 cw(c399.98,518.28) 401.78,518.28 ccw(c405.98,518.28) 405.98,514.08 409.58,514.08 ccw(c409.58,518.28) 413.78,518.28 cw(c415.58,518.28) 415.58,520.08 425.78,520.08 425.99,520.08 430.23,524.32 431.3,525.39 783.97,878.05 783.97,944.98 793.51,954.52 796.27,957.29 cw(c797.54,956.01) 798.82,957.29 ccw(c801.79,960.26) 804.76,957.29 807.3,959.83 ccw(c804.33,962.8) 807.3,965.77 cw(c808.57,967.04) 807.3,968.32 813.24,974.26 cw(c814.51,972.98) 815.79,974.26 ccw(c818.76,977.23) 821.73,974.26 824.27,976.8 ccw(c821.3,979.77) 824.27,982.74 cw(c825.55,984.01) 824.27,985.29 830.21,991.23 cw(c831.48,989.95) 832.76,991.23 ccw(c835.73,994.2) 838.7,991.23 841.24,993.77 ccw(c838.27,996.74) 841.24,999.71 cw(c842.52,1000.99) 841.24,1002.26 847.18,1008.2 cw(c848.46,1006.92) 849.73,1008.2 ccw(c852.7,1011.17) 855.67,1008.2 858.21,1010.74 ccw(c855.24,1013.71) 858.21,1016.68 cw(c859.49,1017.96) 858.21,1019.23 864.15,1025.17 cw(c865.43,1023.9) 866.7,1025.17 ccw(c869.67,1028.14) 872.64,1025.17 875.18,1027.71 ccw(c872.21,1030.68) 875.18,1033.65 cw(c876.46,1034.93) 875.18,1036.2 878.15,1039.17 1144.04,1305.05 1144.04,1353.08 1155.32,1364.37 1180.44,1364.37 1185.73,1359.08 v1(1188.98,1359.08)
CAM_R_D1_P: J1.86 J9.17 | length 1593.4
  Top Layer w6: J9.17@167.32,462.6 170.23,465.5 186.3,465.5 187.52,466.73 195.24,466.73 197.74,464.23 207.02,464.23 214.56,456.69 v1(216.54,456.69) ; J1.86@1124.61,1377.95 1125.94,1376.62 1139.03,1376.62 1139.86,1375.79 1180.44,1375.79 1185.73,1381.08 v1(1188.98,1381.08)
  Bottom Layer w6: v1@209.63,454.72 199.08,465.28 199.08,475.04 203.76,479.71 203.76,503.05 232.21,531.5 421.26,531.5 772.55,882.78 772.55,949.71 1132.62,1309.78 1132.62,1357.81 1150.59,1375.79 1180.44,1375.79 1185.73,1381.08 v1(1188.98,1381.08)